# Allegro board 6089-119-RevA_41.brd (continued)
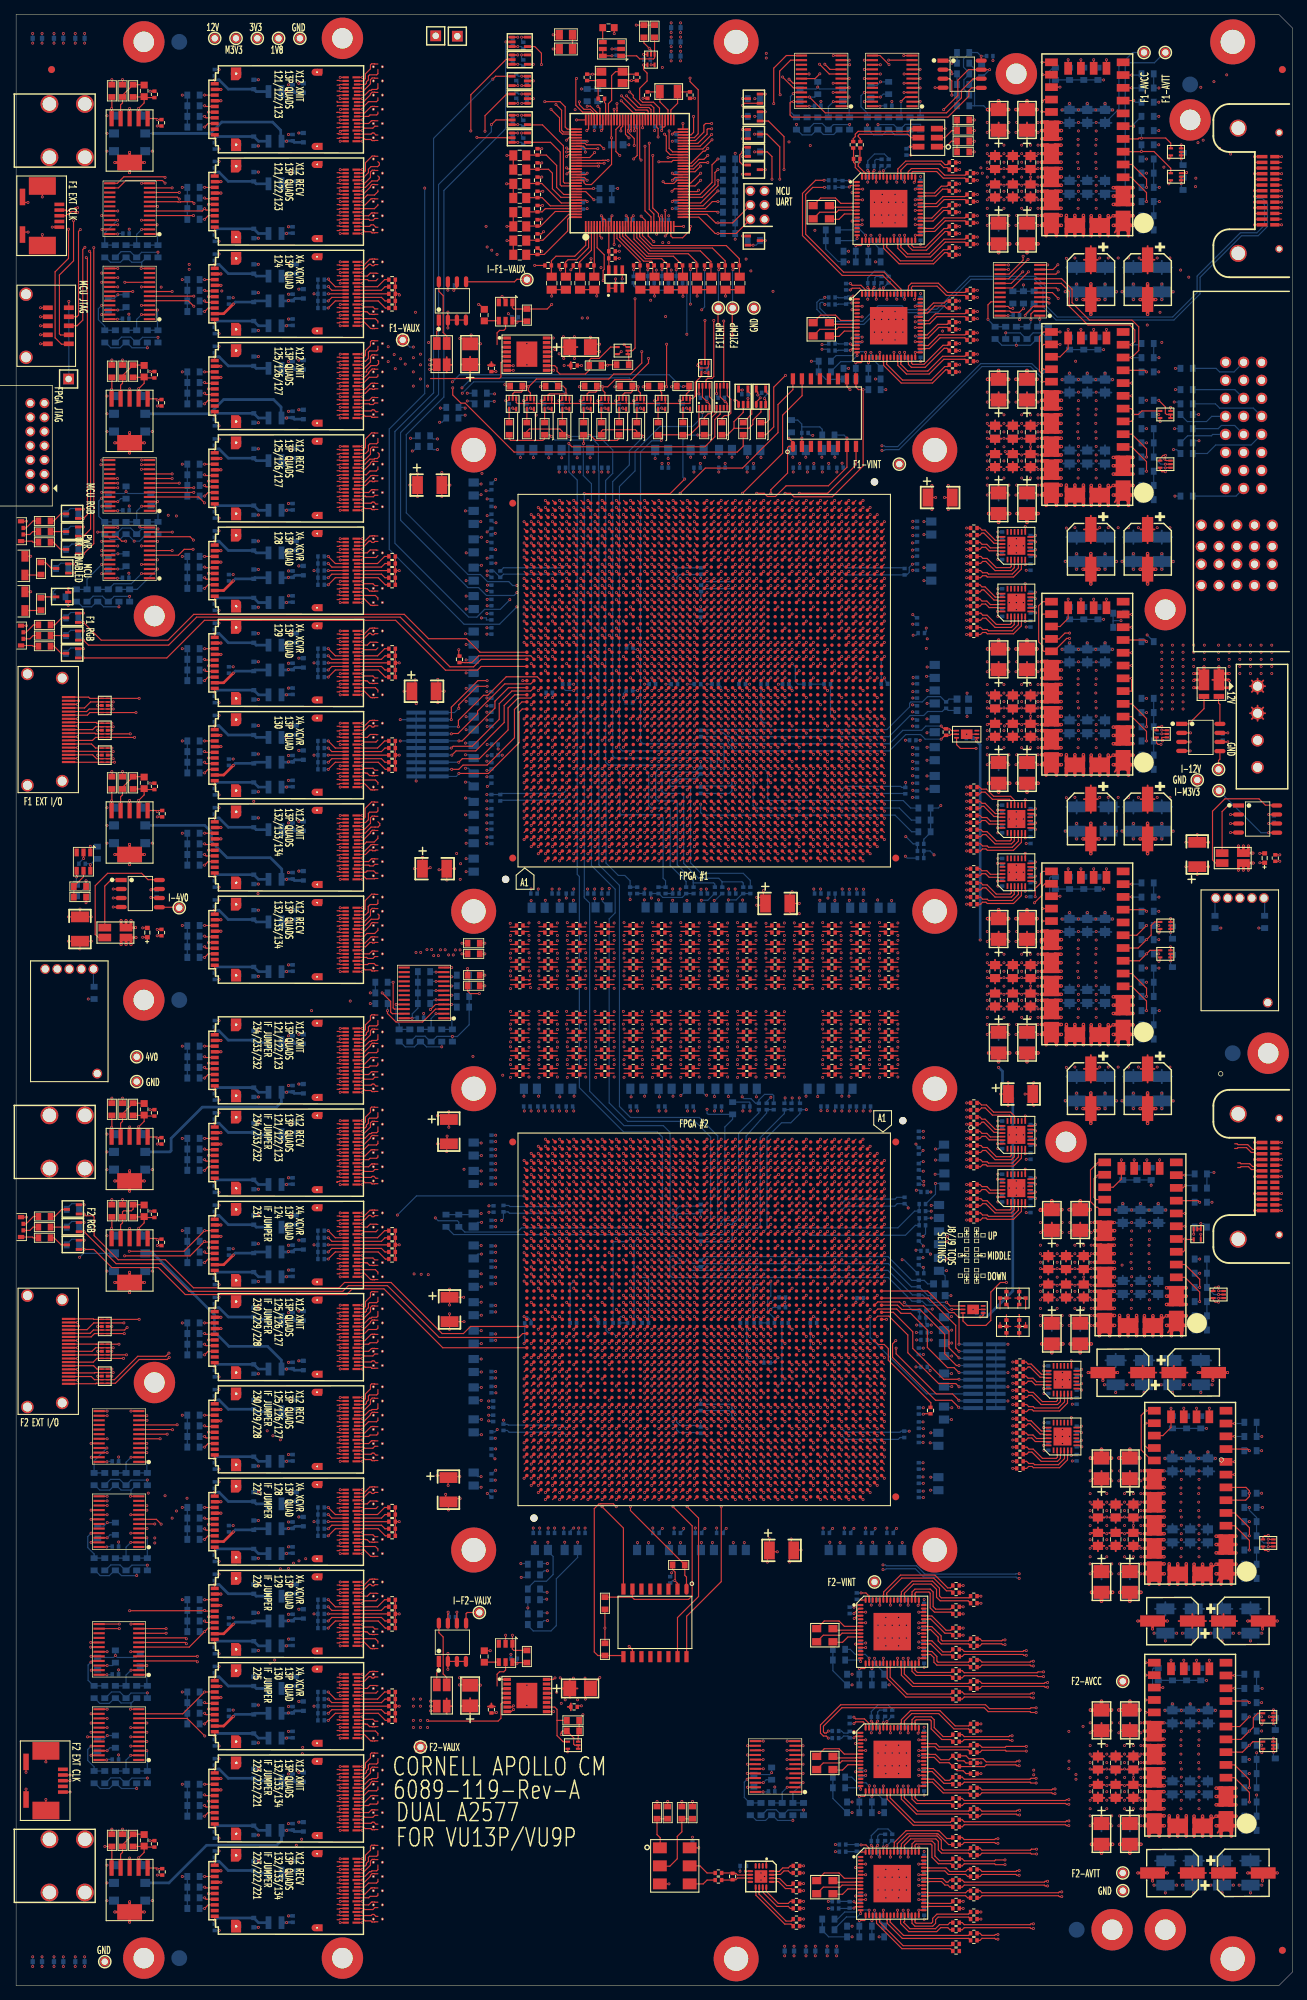
[diagram p0: board, top side]
## Routing (per net, layer and track width the routed paths; a pad name or vN(x,y) marks a point on that pad's centre or on a via; arc(x,y) is an arc through that point) (continued)
V_F2_VCCAUX: length 245.4
  TOP w0.165: v1(58,37.4) 58.1,37.3 67.95,37.3 68.35,37.7 68.35,39.7 68.58,39.92 U57.6 ; U77.BA39 v1(81.61,80.51) ; R74.2 59.3,39.85 59.05,40.1 v1(58.42,40.1) ; R74.2 v1(58.42,39.4) ; R74.2 59.3,38.92 59.13,38.75 v1(58.42,38.75) ; R104.1 81.05,242.9 v1(81.05,243.35) ; U77.AN13 v1(89.61,107.29) ; U77.J13 v1(114.39,107.29) ; U77.AL39 v1(91.61,80.51) ; U77.AA39 v1(102.39,80.51) ; U77.AL13 v1(91.61,107.29) ; U77.W13 v1(104.39,107.29) ; U77.L39 v1(112.39,80.51) ; U77.J39 v1(114.39,80.51) ; U77.BC39 v1(79.61,80.51) ; U77.L13 v1(112.39,107.29) ; U77.BC13 v1(79.61,107.29) ; U77.AA13 v1(102.39,107.29) ; U77.AN39 v1(89.61,80.51) ; U77.BA13 v1(81.61,107.29) ; U77.W39 v1(104.39,80.51)
  TOP w0.254: 57,32.77 PM11.1 ; PM11.1 57.88,33.65 ; PM11.1 56.12,33.65 ; PM11.1 56.33,32.98 ; PM11.1 57.67,32.98 ; PM11.1 56.33,34.32 ; PM11.1 57.67,34.32 ; PM11.1 57,34.53
  PWR4 w0.152: v1(67.6,103.35) 66.9,104.05 65.84,104.05 65.72,103.93 65.41,103.93 65.29,104.05 59.85,104.05 52.9,111 42.3,111 39.4,113.9 39.4,234.35 43.05,238 50.4,238 55.75,243.35 v1(81.05,243.35)
  PWR4 w0.254: PM11.1 57.67,34.32 ; PM11.1 57,32.77 ; PM11.1 56.33,34.32 ; PM11.1 57.88,33.65 ; PM11.1 56.33,32.98 ; PM11.1 57.67,32.98 ; PM11.1 57,34.53 ; PM11.1 56.12,33.65
  BOTTOM w0.165: C736.2 v1(126.94,93.1) ; C1020.2 v1(67.6,84.45) ; C1014.2 v1(67.6,103.35) ; C1019.2 v1(67.6,85.65) ; v1(126.85,103.65) 127.45,103.65 C735.2 ; C738.2 v1(126.94,91) ; C739.2 v1(126.85,87.2) ; C1015.2 v1(67.6,102.15)
  vias: v1(56,40.4) v1(56,39.4) v1(56,37.4) v1(56,36.4) v1(57,40.4) v1(57,39.4) v1(57,37.4) v1(57,36.4) v1(58,36.4) v1(89.61,110.29)
V_M3V3: length 517.3
  TOP w0.165: v1(92.4,225.3) 92.5,225.4 R128.1 ; v1(92.5,254.4) 92.9,254.8 U68.47 ; U125.5 175.76,37.01 v1(175.6,36.85) ; U68.69 91.1,261.9 ; 91.1,261.9 91.33,261.9 91.5,262.07 U68.68 ; 91.1,261.9 91.1,261.5 v1(91,261.4) ; v1(169.5,96.33) 169.02,96.33 168.76,96.59 U121.5 ; 82.7,248.91 82.7,249.2 v1(82.5,249.4) ; 82.7,248.91 82.71,248.92 82.98,248.92 83.1,248.8 U68.8 ; 82.7,248.91 U68.7 ; U124.5 175.76,61.59 176.02,61.33 v1(176.5,61.33) ; v1(135.9,94.25) 136.1,94.25 136.32,94.47 136.32,94.8 ; U10.24 v1(12.78,61.83) ; U51.5 v1(71.25,272.06) ; v1(87.15,261.37) 87.15,261.75 87.1,261.8 U68.79 ; U66.5 84.95,229.9 v1(85.3,230.25) ; v1(161.1,144.35) 161.26,144.51 U114.5 ; U93.8 136.04,271.89 v1(136.04,271.89) ; 13.2,234.82 v1(14.28,234.82) ; v1(162,213.33) 161.52,213.33 161.26,213.59 U112.5 ; 138.7,235.32 v1(139.83,235.32) ; v1(73.9,225.3) 74,225.4 R95.2 ; 13.2,246.82 v1(14.3,246.82) ; R123.1 88.5,225.4 v1(88.4,225.3) ; 169.69,175.26 v1(170.81,175.26) ; U116.5 162.76,254.16 v1(162.5,253.9) ; U113.5 161.26,148.51 v1(161.1,148.35) ; U61.5 v1(77.76,32.96) ; v1(82.5,261.4) 82.7,261.6 U68.90 ; U68.26 v1(90.3,246.81) ; v1(61.7,238.9) 62.13,239.34 U45.6 ; v1(68.9,225.6) 69.1,225.4 R81.1 ; v1(79.4,225.3) 79.5,225.4 R105.1 ; v1(86,249.4) 86.3,249.1 U68.16 ; U70.5 v1(89.51,270.66) ; U53.1 v1(71.28,265.24) ; v1(19,153.36) 19,153.36 20.19,153.26 ; U84.24 v1(111.8,264.82) ; v1(92.5,251.4) 92.7,251.6 U68.39 ; U80.5 101.98,224.85 v1(102.37,224.85) ; U48.6 70.4,45.6 v1(70.6,45.4) 70.74,45.54 R84.2 ; J4.1 v1(3.44,236.44) ; v1(91,249.4) 91.1,249.3 U68.28 ; U54.5 v1(71.25,263.56) ; v1(104.55,224.15) 104.55,224.55 104.34,224.76 U81.5 ; U110.5 160.76,175.14 160.98,174.92 v1(161.39,174.92) ; U68.122 80.3,251.6 v1(80.5,251.4) ; U47.6 70.4,234.6 v1(70.6,234.4) 70.74,234.54 R82.2 ; U9.24 v1(12.8,73.83) ; v1(161.27,220.4) 161.26,220.4 U111.5 ; U64.5 U64.6 v1(84,271.93) ; 13.2,207.82 v1(14.3,207.82) ; U11.24 v1(12.8,43.83) ; 177.69,163.76 v1(176.57,163.76) ; U65.4 v1(85.45,240.5) ; U83.24 v1(105.3,27.32) ; v1(84.4,225.3) 84.5,225.4 R117.2 ; 13.2,198.32 v1(14.28,198.32) ; v1(80.5,259.9) 80.4,260 U68.101 ; U94.4 135.43,175.47 v1(135.35,175.4) ; U2.6 v1(10.47,157.97) ; U55.5 v1(71.25,261.06) ; U88.24 v1(121.78,264.82) ; v1(175.6,32.85) 175.76,33.01 U126.5 ; v1(80.5,255.4) 80.3,255.2 U68.113 ; D5.2 v1(2.06,196.42) ; U50.5 v1(71.25,274.56) ; U115.5 162.76,257.66 v1(162.5,257.4) ; J6.18 v1(8.66,93.46) ; U12.24 v1(12.78,31.82) ; U46.6 v1(62.13,52.65) ; U68.63 92.8,261.2 v1(92.5,260.9) ; U119.5 v1(167,105.9) ; D1.3 v1(1.45,206.35) ; J5.18 v1(8.82,181.06) ; R122.2 R120.2 v1(87.41,276.26) ; U52.1 v1(71.28,267.74)
  TOP w0.38: v1(173.7,160.6) 173.7,160.1 173.2,159.6 ; v1(172.3,160.6) 172.3,160.1 172.8,159.6 R146.1 ; R146.1 v1(173,160.6) ; R146.1 173.2,159.6 ; 173.2,159.6 v1(174.35,159.6)
  PWR6 w0.254: PM6.1 31.88,274.4 ; PM6.1 31.67,275.07 ; PM6.1 30.33,273.73 ; PM6.1 30.33,275.07 ; PM6.1 31.67,273.73 ; PM6.1 31,273.52 ; PM6.1 30.12,274.4 ; PM6.1 31,275.28 ; J7.3 105.5,251.78 ; J7.3 106.17,251.57 ; J7.3 106.38,250.9 ; J7.3 105.5,250.02 ; J7.3 104.83,251.57 ; J7.3 104.62,250.9 ; J7.3 104.83,250.23 ; J7.3 106.17,250.23 ; 2,210.12 J1.2 ; J1.2 2.88,211 ; J1.2 1.33,210.33 ; J1.2 1.33,211.67 ; J1.2 2.67,211.67 ; J1.2 2.67,210.33 ; J1.2 2,211.88 ; J1.2 1.62,210.13
  BOTTOM w0.165: v1(139.83,235.32) 140.47,235.32 C675.1 ; R668.2 12.59,40.54 13.45,41.4 14.64,41.4 R646.2 15.5,40.55 16.2,41.25 18.48,41.25 v1(18.5,41.27) R627.2 ; R233.2 R234.2 v1(161.1,153.4) ; v1(85.45,240.5) 85.4,240.45 C928.1 ; C1225.1 12.85,31.9 v1(12.78,31.82) ; v1(23.43,41.4) R606.2 R607.2 R608.2 R609.2 ; R666.2 13.31,71.35 14.6,71.35 15.41,70.54 R644.2 15.5,70.55 16.2,71.25 18.48,71.25 v1(18.5,71.27) R625.2 ; C713.1 135.9,94.4 v1(135.9,94.25) ; v1(102.37,224.85) 102.3,224.78 C874.1 ; R671.2 12.35,64.76 v1(12.85,65.26) R653.2 ; R641.2 v1(15.5,210.53) ; v1(15.5,210.53) 15.76,210.26 R621.2 ; v1(15.5,210.53) 15.24,210.26 R660.2 ; v1(92.34,276.58) C904.1 v1(92.34,275.22) ; R203.2 R204.2 v1(161.1,267.4) ; C1217.1 19.71,153.36 v1(19,153.36) ; R227.1 v1(159.35,181.4) ; R267.2 145.46,232.04 144.6,232.9 143.36,232.9 R282.2 142.41,232.04 141.55,232.9 v1(139.5,232.9) R286.2 ; R357.2 113.26,267.26 v1(113,267.53) ; v1(121.78,264.82) 121.85,264.9 C805.1 ; v1(175.6,77.4) R151.2 R150.2 ; R629.2 17.41,46.76 16.91,46.26 14.26,46.26 v1(14,46.53) ; R318.2 v1(121.5,262.25) 123.7,262.25 124.41,261.54 R314.2 124.59,261.54 125.32,262.27 127.5,262.27 R304.2 ; R315.2 v1(121.85,268.26) 121.35,267.76 R332.2 ; R376.2 111.59,261.54 112.45,262.4 113.64,262.4 R366.2 114.5,261.55 115.2,262.25 117.48,262.25 v1(117.5,262.27) R345.2 ; R378.2 v1(111,24.77) 108.82,24.77 108.09,24.04 R390.2 107.91,24.04 107.15,24.8 105.85,24.8 105.09,24.04 R398.2 ; R672.2 13.74,46.26 v1(14,46.53) ; C927.1 86,248.85 v1(86,249.4) ; R643.2 v1(14.35,201.76) 13.5,201.76 R661.2 ; v1(89.51,270.66) 89.51,271.29 C920.1 ; C548.1 170.34,175.26 v1(170.81,175.26) ; v1(23.43,253.4) R542.2 R543.2 R544.2 R545.2 ; v1(23.43,132.4) R578.2 R579.2 R580.2 R581.2 ; v1(70.6,234.4) 70.6,234.9 C977.1 ; R657.2 v1(12.85,35.26) 12.35,34.76 R673.2 ; v1(61.7,238.9) 61.7,239.5 C1051.1 ; v1(91,249.4) 91.05,249.35 C910.1 ; R601.2 R600.2 R599.2 R598.2 v1(23.43,67.4) ; v1(71.25,261.06) 71.25,260.6 C974.1 ; C1224.1 13.47,43.83 v1(12.8,43.83) ; v1(2.34,275.08) C1232.1 v1(2.34,273.72) ; C915.1 90.95,261.45 v1(91,261.4) ; R283.2 R285.2 ; R283.2 R269.2 ; R283.2 v1(142,239.65) ; C1223.1 12.85,61.9 v1(12.78,61.83) ; R541.2 R540.2 R539.2 R538.2 v1(23.43,266.4) ; v1(14.28,198.32) 14.93,198.32 C1221.1 ; C973.1 71.25,263.1 v1(71.25,263.56) ; R182.1 v1(166.85,92.4) ; R613.2 R612.2 R611.2 R610.2 v1(23.43,28.4) ; v1(23.43,162.4) R570.2 R571.2 R572.2 R573.2 ; R288.1 136.1,271.83 v1(136.04,271.89) ; R443.1 90.25,241.2 v1(90.25,241.75) ; R214.1 v1(159.35,247.4) ; v1(62.13,52.65) 62.13,52.13 C1050.1 ; R674.2 11.28,158.79 v1(10.47,157.97) 10.33,158.1 C1226.1 ; R166.1 v1(173.85,31.9) ; C859.1 112.47,264.82 v1(111.8,264.82) ; v1(175.65,41.9) R161.2 R160.2 ; v1(23.43,227.4) R550.2 R551.2 R552.2 R553.2 ; v1(2.34,2.72) C1233.1 v1(2.34,4.08) ; C944.1 80.05,251.4 v1(80.5,251.4) ; R209.1 v1(159.35,257.4) ; R379.2 112.74,267.26 v1(113,267.53) ; v1(155.75,192.35) 154.69,192.35 154.64,192.3 ; C971.1 71.25,274.1 v1(71.25,274.56) ; R617.2 R616.2 R615.2 R614.2 v1(23.43,15.4) ; R620.2 v1(20,205.27) 19.98,205.25 17.7,205.25 17,204.55 R632.2 16.14,205.4 14.95,205.4 14.09,204.54 R651.2 ; R655.2 v1(14,46.53) ; v1(23.43,240.4) R546.2 R547.2 R548.2 R549.2 ; v1(135.35,175.4) 134.95,175.8 C714.1 ; v1(14.3,207.82) 14.38,207.9 C1219.1 ; R248.2 154.64,192.3 ; 154.64,192.3 R247.2 ; v1(92.5,254.4) 92.65,254.55 C902.1 ; R637.2 v1(16,195.77) 13.82,195.77 13.09,195.04 R662.2 12.91,195.04 12.15,195.8 10.85,195.8 10.09,195.04 R680.2 ; v1(108.34,4.22) C867.1 v1(108.34,5.58) ; v1(71.28,267.74) 71.79,267.74 C966.1 ; C932.1 82.5,249.05 v1(82.5,249.4) ; C931.1 84.07,272 v1(84,271.93) ; v1(82.5,261.4) 82.45,261.45 C937.1 ; R628.2 v1(18.5,29.27) 16.32,29.27 15.59,28.54 R647.2 15.41,28.54 14.65,29.3 13.35,29.3 12.59,28.54 R669.2 ; R174.2 R173.2 168.06,114.6 v1(168.85,114.6) ; R659.2 13.85,237.76 v1(14.35,238.26) R639.2 ; v1(101.36,246.1) R420.2 R419.2 R418.2 R417.2 R416.2 R415.2 R414.2 R413.2 v1(101.36,258.2) ; R593.2 R592.2 R591.2 R590.2 v1(23.43,93.4) ; R215.2 R216.2 v1(161.1,229.4) ; v1(136.04,271.89) 135.53,272.4 R289.2 134.36,272.31 133.55,271.5 133.55,270.35 134.36,269.54 R291.2 134.36,269.31 133.6,268.55 133.6,267.25 134.36,266.49 R293.2 ; v1(136.04,271.89) 136.05,271.9 C712.1 ; R154.1 v1(175.7,67.4) ; v1(14.3,246.82) 14.38,246.9 C1218.1 ; v1(23.43,175.4) R566.2 R567.2 R568.2 R569.2 ; R565.2 R564.2 R563.2 R562.2 v1(23.43,188.4) ; C972.1 71.25,271.6 v1(71.25,272.06) ; R626.2 v1(18.5,59.27) 16.32,59.27 15.59,58.54 R645.2 15.41,58.54 14.65,59.3 13.35,59.3 12.59,58.54 R667.2 ; v1(105.3,27.32) 105.97,27.32 C868.1 ; v1(84.8,253.25) R454.2 R455.2 ; C869.1 104.8,224.15 v1(104.55,224.15) ; R585.2 R584.2 R583.2 R582.2 v1(23.43,119.4) ; C967.1 71.79,265.24 v1(71.28,265.24) ; R577.2 R576.2 R575.2 R574.2 v1(23.43,149.4) ; R457.2 R458.2 v1(79.7,267.26) ; R619.2 v1(20,232.27) 17.82,232.27 17.09,231.54 R631.2 16.91,231.54 16.15,232.3 14.85,232.3 14.09,231.54 R650.2 ; v1(92.5,251.4) 92.55,251.35 C903.1 ; v1(23.43,106.4) R586.2 R587.2 R588.2 R589.2 ; C943.1 80.45,255.35 v1(80.5,255.4) ; v1(113,267.53) R373.2 ; R561.2 R560.2 R559.2 R558.2 v1(23.43,201.4) ; v1(23.43,214.4) R554.2 R555.2 R556.2 R557.2 ; v1(176.57,163.76) 177.12,163.76 C545.1 ; C924.1 87.45,261.95 87.15,261.65 v1(87.15,261.37) ; v1(23.43,80.4) R594.2 R595.2 R596.2 R597.2 ; v1(23.43,54.4) R602.2 R603.2 R604.2 R605.2 ; R171.1 v1(173.85,21.9) ; v1(92.5,260.9) 92.55,260.85 C901.1 ; R495.2 R496.2 v1(49.93,139.9) ; R239.1 v1(159.35,143.4) ; R649.2 14.81,244.35 16.1,244.35 16.91,243.54 R630.2 17,243.55 17.7,244.25 19.98,244.25 v1(20,244.27) R618.2 ; C1220.1 14.93,234.82 v1(14.28,234.82) ; R177.1 v1(166.85,102.4) ; R159.1 v1(173.85,57.4) ; R225.1 v1(159.35,209.4) ; C942.1 80.45,259.85 v1(80.5,259.9) ; C1222.1 12.88,73.9 v1(12.8,73.83) ; R392.2 v1(106.5,30.03) 106.24,29.76 R406.2 ; v1(70.6,45.4) 70.65,45.45 C978.1 ; R244.1 v1(159.35,133.4) ; R220.1 v1(159.35,219.4) ; R232.1 v1(159.35,171.4)
  BOTTOM w0.2: v1(135.9,94.25) 136.85,94.25
  BOTTOM w0.38: v1(138.5,129.4) 139.05,128.85 139.05,126.55 140.5,125.1 140.5,97.9 136.85,94.25 ; v1(135.9,147.35) 135.9,174.85 v1(135.35,175.4)
  vias: v1(37.25,58.75)
XOSC0: length 6.2
  TOP w0.165: C156.1 93.3,266.85 X2.2 93.25,265.25 92.3,264.3 U68.66
XOSC1: length 6.2
  TOP w0.165: U68.67 91.9,264.3 90.75,265.45 X2.1 90.7,266.85 C136.1
N7269408: length 3.4
  TOP w0.165: v1(44.01,63.4) 44.01,63.41 45,64.4 U39A.B12
  BOTTOM w0.165: R527.2 v1(44.01,63.4)
N7269410: length 3.2
  TOP w0.165: v1(44.01,64.4) 44.51,64.9 U39A.B11
  BOTTOM w0.165: R526.2 v1(44.01,64.4)
N7269412: length 3
  TOP w0.165: 44,65.4 v1(44.01,65.4) U39A.B10
  BOTTOM w0.165: R525.2 v1(44.01,65.4)
N7269414: length 3.2
  TOP w0.165: v1(44.01,66.4) 44.51,65.9 U39A.B9
  BOTTOM w0.165: R524.2 v1(44.01,66.4)
N7269416: length 3.4
  TOP w0.165: U39A.B8 45,66.4 44.01,67.39 v1(44.01,67.4)
  BOTTOM w0.165: R523.2 v1(44.01,67.4)
N7269418: length 4.9
  TOP w0.165: R62.2 52.05,63.4 51.05,64.4 U39A.A12
N7269420: length 4.7
  TOP w0.165: U39A.A11 51.5,64.9 52,64.4 R61.2
N7269422: length 4.6
  TOP w0.165: U39A.A10 R60.2
N7269424: length 4.7
  TOP w0.165: R59.2 52,66.4 51.5,65.9 U39A.A9
N7269426: length 4.9
  TOP w0.165: U39A.A8 50.95,66.4 51.95,67.4 R58.2
N7416787: length 5.6
  TOP w0.165: U75.AB40 v1(92.61,198.29)
  BOTTOM w0.165: R424.2 93.22,199.8 93.05,199.63 93.05,199 92.61,198.56 v1(92.61,198.29)
N7431932: length 28.7
  TOP w0.165: U75.AB14 v1(92.61,171.51)
  BOTTOM w0.165: 99.5,155.6 99.55,155.55 102.33,155.55 102.5,155.38 R410.2 ; 99.5,155.6 99.05,156.05 96.2,156.05 94.1,158.15 94.1,167.7 93.8,168 91.35,168 91.05,168.3 91.05,170.8 91.3,171.05 92.1,171.05 92.56,171.51 v1(92.61,171.51) ; 99.5,155.6 99.5,154.85 R421.2
N7432046: length 27
  TOP w0.165: U75.AC13 v1(93.61,170.51)
  BOTTOM w0.165: R407.2 103.5,155.75 102.5,156.75 96.55,156.75 95.08,158.22 95.08,168.78 94.85,169 92.3,169 92.13,169.17 92.13,169.83 92.25,169.95 92.8,169.95 93.36,170.51 v1(93.61,170.51)
N7432084: length 24.6
  TOP w0.165: U75.Y14 v1(90.61,171.51)
  BOTTOM w0.165: R423.2 98.5,155.23 98.33,155.4 95.45,155.4 ; 95.45,155.4 95.45,155.7 93.2,157.95 93.2,166.65 92.9,166.95 90.5,166.95 90.15,167.3 90.15,170.88 90.27,171.17 v1(90.61,171.51) ; 95.45,155.4 95.45,154.85 R433.2
N7432164: length 208.2
  TOP w0.165: v1(106.55,254.55) 106.55,257.75 105.9,258.4 Q15.3 ; U75.V14 v1(88.61,171.51)
  SIG2 w0.079: v1(62.65,158.1) 63.55,158.1 64.1,158.65 64.1,158.67 64.18,158.75 72.35,158.75 73.2,159.6 73.2,171.7 73.5,172 88.15,172 88.61,171.54 v1(88.61,171.51)
  PWR3 w0.152: v1(106.55,254.55) 102.1,254.55 101.25,253.7 70.9,253.7 56.71,239.51 56.71,230.91 55.05,229.25 v1(54.2,229.25)
  PWR4 w0.152: v1(62.65,158.1) 54.55,166.2 54.55,180 54.2,180.35 54.2,186.05 54.39,186.24 54.39,186.56 54.2,186.75 54.2,199.05 54.39,199.24 54.39,199.56 54.2,199.75 v1(54.2,229.25)
  BOTTOM w0.165: v1(88.61,171.51) 88.61,171.49 89.17,170.93 89.17,166.28 89.5,165.95 92.03,165.95 92.2,165.78 92.2,157.85 94.45,155.6 R434.1
N7432236: length 20.4
  TOP w0.165: U75.M14 v1(82.61,171.51)
  BOTTOM w0.165: v1(82.61,171.51) 83.15,170.97 83.15,158.2 84.9,156.45 85.8,156.45 86.55,155.7 R449.2 R446.2
N7432312: length 24.3
  TOP w0.165: U75.P14 v1(84.61,171.51)
  BOTTOM w0.165: v1(84.61,171.51) 84.61,171.49 85.1,171 85.1,165.2 85.3,165 90.75,165 91.2,164.55 91.2,156.05 91.55,155.7 R438.2 R441.2
N7433493: length 63.2
  TOP w0.165: v1(117.12,218.08) U85.7 117.12,213.97 114.5,211.35 108.55,211.35 107.05,209.85 105.9,209.85 105.45,210.3 v1(104.4,210.3) ; U75.AK14 v1(101.39,171.51)
  SIG2 w0.079: v1(104.4,210.3) 104.9,209.8 104.9,172.3 104.5,171.9 101.78,171.9 v1(101.39,171.51)
  BOTTOM w0.165: v1(117.12,218.08) 116.7,218.5 R367.2
N7433497: length 50.3
  TOP w0.165: v1(106.4,210.3) 106.4,210.8 108.75,213.15 108.75,216.73 108.92,216.9 U85.1 109.5,217.45 v1(108.95,218) ; U75.AT14 v1(107.39,171.51)
  SIG2 w0.079: v1(107.39,171.51) U75.AT14 107,209.7 v1(106.4,210.3)
  BOTTOM w0.165: v1(108.95,218) 108.95,218.54 R383.2
N7433501: length 66.6
  TOP w0.165: v1(108.4,210.3) 109.15,210.3 109.65,209.8 115.05,209.8 119.4,214.15 v1(119.4,224.9) 118.75,224.9 118.39,225.26 U85.9 ; U75.AV14 v1(109.39,171.51)
  SIG2 w0.079: v1(109.39,171.51) U75.AV14 109,209.7 v1(108.4,210.3)
  BOTTOM w0.165: R329.2 v1(119.4,224.9)
N7433549: length 64
  TOP w0.165: U75.AG13 v1(98.39,170.51) ; U85.15 110.8,226.4 110.8,224.05 108.05,221.3 108.05,215.95 v1(102.4,210.3)
  SIG2 w0.079: v1(102.4,210.3) 103,209.7 103,173.3 102.8,173.1 102.8,173.08 102.72,173 101.1,173 100.9,172.8 100.9,171.4 100.4,170.9 98.78,170.9 v1(98.39,170.51)
N7433553: length 52
  TOP w0.165: U85.8 118.4,216.89 118.4,214.3 114.4,210.3 v1(110.4,210.3) ; U75.AY14 v1(111.39,171.51)
  SIG2 w0.079: v1(110.4,210.3) 111,209.7 U75.AY14 v1(111.39,171.51)
N7433601: length 67.3
  TOP w0.165: U85.16 109.5,224.9 107.4,222.8 107.4,218.85 102.4,213.85 97.15,213.85 v1(93.6,210.3) ; U75.AE13 v1(95.61,170.51)
  SIG2 w0.079: v1(93.6,210.3) 94.15,209.75 94.15,171.4 94.55,171 95.1,171 95.59,170.51 v1(95.61,170.51)
N7434099: length 235
  TOP w0.165: U75.AD13 v1(94.61,170.51) ; Q14.3 105.85,260.9 107.65,259.1 v1(107.65,254.55)
  SIG1 w0.079: v1(94.61,170.51) 94.69,170.51 95.15,170.05 95.9,170.05 96.05,169.9 96.05,167.05 96.5,166.6 v1(96.5,166.5)
  SIG2 w0.079: v1(94.61,170.51) 94.17,170.95 93.3,170.95 93.1,171.15 93.1,172.65 92.7,173.05 72.33,173.05 72.25,172.97 72.25,172.9 72.15,172.8 72.15,161.25 70.7,159.8 62.35,159.8 v1(62.1,159.55)
  PWR3 w0.152: v1(54.85,228.5) 56.2,228.5 57.4,229.7 57.4,238.1 72.65,253.35 74.85,253.35 75.8,252.4 100.75,252.4 102.5,254.15 106.38,254.15 106.38,254.14 106.72,254.14 106.72,254.15 107.25,254.15 v1(107.65,254.55)
  PWR4 w0.152: v1(62.1,159.55) 55.35,166.3 55.35,180.7 55.07,180.98 55.07,228.28 v1(54.85,228.5)
  BOTTOM w0.165: v1(96.5,166.5) 96.5,165.3 96.85,164.95 123.9,164.95 126.25,162.6 R297.2
N7503296: length 30.1
  TOP w0.165: U75.AM14 v1(103.39,171.51)
  BOTTOM w0.165: R296.2 126.2,164.25 124.5,165.95 104.25,165.95 103.9,166.3 103.9,171 v1(103.39,171.51)
N7505902: length 20.8
  TOP w0.165: U77.AB14 v1(101.39,106.29)
  BOTTOM w0.165: R391.2 R396.2 105.8,122.99 102.9,119.72 102.9,107.25 102.45,106.8 101.9,106.8 v1(101.39,106.29)
N7506206: length 67.3
  TOP w0.165: 86.88,54.72 87.15,54.45 94.8,54.45 95.3,54.95 95.3,64.8 v1(92.6,67.5) ; 86.88,54.72 86.84,54.76 R113.2 ; 86.88,54.72 U72.7 ; U77.AK14 v1(92.61,106.29)
  SIG2 w0.079: v1(92.61,106.29) 93.15,105.75 93.15,68.03 93.07,67.95 93.05,67.95 v1(92.6,67.5)
N7506210: length 54.7
  TOP w0.165: v1(86.6,67.5) 86.6,66.96 R126.2 94.26,57.84 94.5,57.6 U72.1 ; U77.AT14 v1(86.61,106.29)
  SIG2 w0.079: v1(86.6,67.5) 87.15,68.05 87.15,105.7 86.61,106.24 v1(86.61,106.29)
N7506214: length 67.9
  TOP w0.165: U77.AV14 v1(84.61,106.29) ; U72.9 85.45,46.54 R114.2 82,46.54 81.5,47.04 81.5,67.23 82.17,67.9 82.42,67.9 82.43,67.91 84.19,67.91 v1(84.6,67.5)
  SIG2 w0.079: v1(84.6,67.5) 85.15,68.05 85.15,105.65 84.61,106.19 v1(84.61,106.29)
N7506288: length 63.8
  TOP w0.165: U77.AG13 v1(95.61,107.29) ; v1(94.6,67.5) 96.2,65.9 96.2,54.85 93.23,51.88 U72.15
  SIG2 w0.079: v1(94.6,67.5) 95.1,68 95.1,106.55 95.61,107.06 v1(95.61,107.29)
N7506296: length 18.9
  TOP w0.165: U77.AC13 v1(100.39,107.29)
  BOTTOM w0.165: v1(100.39,107.29) 100.98,107.29 101,107.32 101,107.45 101.23,107.68 101.38,107.68 101.85,108.15 101.85,120.15 104.7,123 R399.2
N7506304: length 52.6
  TOP w0.165: U72.8 85.61,64.49 v1(82.6,67.5) ; U77.AY14 v1(82.61,106.29)
  SIG2 w0.079: v1(82.6,67.5) 83.15,68.05 83.15,105.75 v1(82.61,106.29)
N7506346: length 21.2
  TOP w0.165: U77.Y14 v1(103.39,106.29)
  BOTTOM w0.165: R384.2 R387.2 108.3,122.9 104.9,119.5 104.9,107.05 104.6,106.75 103.85,106.75 v1(103.39,106.29)
N7506428: length 65.7
  TOP w0.165: U77.AE13 v1(98.39,107.29) ; U72.16 94.53,46.4 94.53,52.08 99.4,56.95 v1(99.4,67.5)
  SIG2 w0.079: v1(99.4,67.5) 99.7,67.8 99.82,67.8 99.9,67.88 99.9,76.85 99.8,76.95 98.25,76.95 97.95,77.25 97.95,106.85 v1(98.39,107.29)
N7506492: length 274.6
  TOP w0.165: Q16.3 v1(105.6,255.9) ; U77.V14 v1(105.39,106.29)
  SIG2 w0.079: v1(105.6,255.9) 105.6,254.15 106.7,253.05 v1(106.7,238.75)
  PWR4 w0.152: v1(106.7,238.75) 98.75,238.75 96.6,236.6 95.27,236.6 95.22,236.54 94.88,236.54 94.83,236.6 85.5,236.6 83.05,239.05 71.7,239.05 70,240.75 58.8,240.75 53.15,235.1 49.05,235.1 48.97,235.02 48.65,235.02 47.2,233.57 47.2,233.1 45,230.9 43.4,230.9 43.25,230.75 43.25,142.6 v1(47.1,138.75)
  SIG3 w0.079: v1(111.4,123.45) 105.55,123.45 104.4,124.6 69.95,124.6 58.4,136.15 57,136.15 54.4,138.75 v1(47.1,138.75)
  BOTTOM w0.165: v1(105.39,106.29) 105.85,106.75 105.85,119.55 107.9,121.6 109.2,121.6 110.5,122.9 R380.1 v1(111.4,123.45)
N7506600: length 18.3
  TOP w0.165: U77.M14 v1(111.39,106.29)
  BOTTOM w0.165: R302.2 R303.2 126.75,107.15 125.35,105.75 111.9,105.75 111.39,106.26 v1(111.39,106.29)
N7506822: length 20.6
  TOP w0.165: U77.P14 v1(109.39,106.29)
  BOTTOM w0.165: R300.2 R301.2 126.65,109.15 124.3,106.8 109.95,106.8 109.44,106.29 v1(109.39,106.29)
N7507208: length 250.7
  TOP w0.165: U77.AD13 v1(99.39,107.29) ; Q17.3 v1(105.6,245.9)
  PWR4 w0.152: v1(41.65,137.4) 41.65,173.2 41.61,173.24 41.61,173.56 41.65,173.6 41.65,186.2 41.61,186.24 41.61,186.56 41.65,186.6 41.65,199.2 41.61,199.24 41.61,199.56 41.65,199.6 41.65,231 42.15,231.5 44.7,231.5 46.85,233.65 46.85,234.3 49.24,236.69 53.79,236.69 58.45,241.35 72.7,241.35 73.55,240.5 81.55,240.5 82,240.95 103.65,240.95 105.6,242.9 105.6,245.9 v1(105.6,245.9)
  SIG3 w0.079: v1(41.65,137.4) 51.55,137.4 54,134.95 54,133.55 63.55,124 96.5,124 97,123.5 v1(97.4,123.5)
  BOTTOM w0.165: v1(97.4,123.5) 97.4,122.95 97.57,122.79 R412.2 101,122.1 99.9,121 99.9,108.2 99.39,107.69 v1(99.39,107.29)
N7550815: length 31.2
  TOP w0.165: U77.AM14 v1(90.61,106.29)
  BOTTOM w0.165: v1(90.61,106.29) 90.59,106.29 90.15,105.85 61.69,105.85 R483.2
N7774117: length 1.9
  TOP w0.165: U67.4 R115.1
N7774145: length 35.8
  TOP w0.165: 86,222.95 83.5,222.95 ; 86,222.95 U67.1 ; 86,222.95 88.5,222.95 ; 83.5,222.95 81,222.95 ; 83.5,222.95 U63.1 ; U59.1 75.5,222.95 ; 75.5,222.95 73,222.95 ; 75.5,222.95 78,222.95 ; 81,222.95 78,222.95 ; 81,222.95 U62.1 ; 78,222.95 U60.1 ; U49.1 70.5,223.1 70.65,222.95 73,222.95 ; 88.5,222.95 91.5,222.95 ; 88.5,222.95 U69.1 ; 91.5,222.95 95,222.95 U74.1 95.01,223.65 95.4,223.65 95.75,224 95.75,225.95 96.6,226.8 U78.4 ; 91.5,222.95 U73.1 ; 73,222.95 U58.1
N7774339: length 1.9
  TOP w0.165: U69.4 R119.1
N7775449: length 1.9
  TOP w0.165: U63.4 R108.1
N7775531: length 1.9
  TOP w0.165: U62.4 R103.1
N7781104: length 1.9
  TOP w0.165: U58.4 R83.1
N7781202: length 1.9
  TOP w0.165: U49.4 R80.1
N7781480: length 1.9
  TOP w0.165: U60.4 R97.1
N7781570: length 1.9
  TOP w0.165: U59.4 R93.1
N7785178: length 1.9
  TOP w0.165: U73.4 R124.1
N7785276: length 1.9
  TOP w0.165: U74.4 R129.1
N7788421: length 6.1
  TOP w0.165: U76.5 97.75,223.9 98.2,223.45 98.2,221.75 97.95,221.5 97.55,221.5 97,220.95 R131.1
N7873135: length 12.1
  TOP w0.165: U80.2 102.5,221.7 101.2,220.4 101.2,219.45 ; U81.2 105,221.75 103.85,220.6 103.85,220 103.3,219.45 101.2,219.45 ; R134.2 100.29,218.54 101.2,219.45
N7875048: length 5.4
  TOP w0.165: R137.1 103.7,221.46 103.7,224.15 103.16,224.69 U80.4
N7875062: length 5.9
  TOP w0.165: R138.1 105.76,220.26 106.2,220.7 106.2,224.1 105.66,224.64 U81.4
N7922601: length 6.7
  TOP w0.165: U107.19 147.15,191.53 148.3,192.67 U107.16 v1(148.3,195.38)
  BOTTOM w0.165: v1(148.3,195.38) 148.3,194.46 R263.1
N7927125: length 2.5
  TOP w0.165: U107.15 v1(150.1,195.38)
  BOTTOM w0.165: v1(150.1,195.38) 150.1,194.66 R255.1
N7927299: length 2.6
  TOP w0.165: U107.14 v1(151.9,195.38)
  BOTTOM w0.165: v1(151.9,195.38) 151.9,194.86 R251.1
N7927470: length 4.1
  TOP w0.165: v1(159.35,189.4) 159.12,189.62 U107.9
  BOTTOM w0.165: R226.1 v1(159.35,189.4)
N7930999: length 4.1
  TOP w0.165: v1(159.35,227.4) 159.12,227.62 U106.9
  BOTTOM w0.165: R217.1 v1(159.35,227.4)
N7931071: length 2.6
  TOP w0.165: U106.14 v1(151.9,233.38)
  BOTTOM w0.165: v1(151.9,233.38) 151.9,232.86 R250.1
N7931075: length 6.7
  TOP w0.165: U106.19 147.15,229.53 148.3,230.67 U106.16 v1(148.3,233.38)
  BOTTOM w0.165: v1(148.3,233.38) 148.3,232.46 R262.1
N7931121: length 2.5
  TOP w0.165: U106.15 v1(150.1,233.38)
  BOTTOM w0.165: v1(150.1,233.38) 150.1,232.66 R254.1
N7932656: length 41.7
  TOP w0.165: U107.7 v1(157.25,186.03) ; U106.7 v1(157.25,224.03)
  SIG2 w0.079: v1(157.25,186.03) 157.28,186.03 158.4,187.15 158.4,199.16 158.11,199.46 158.11,199.74 158.4,200.04 158.4,205.16 158.54,205.31 158.54,205.59 158.4,205.74 158.4,222.88 v1(157.25,224.03)
N7932668: length 41.3
  TOP w0.165: 156.05,225.82 v1(157.25,225.82) ; 156.05,187.82 v1(157.25,187.82)
  SIG2 w0.079: v1(157.25,225.82) 156.8,225.37 156.8,223.2 157.9,222.1 157.9,210.05 arc(157.89,210.02) 157.87,209.99 arc(157.86,209.96) 157.85,209.93 157.85,188.65 arc(157.8,188.42) 157.67,188.22 157.27,187.82 v1(157.25,187.82)
N8124132: length 4.1
  TOP w0.165: v1(159.35,151.4) 159.12,151.62 U108.9
  BOTTOM w0.165: R235.1 v1(159.35,151.4)
N8124142: length 2.6
  TOP w0.165: U108.14 v1(151.9,157.38)
  BOTTOM w0.165: R252.1 151.9,156.86 v1(151.9,157.38)
N8124144: length 2.4
  TOP w0.165: U108.16 v1(148.3,157.38)
  BOTTOM w0.165: v1(148.3,157.38) 148.3,156.46 R264.1
N8124154: length 2.5
  TOP w0.165: U108.15 v1(150.1,157.38)
  BOTTOM w0.165: R256.1 150.1,156.66 v1(150.1,157.38)
N8133874: length 5.9
  TOP w0.165: U108.19 v1(147.15,153.53)
  BOTTOM w0.165: R266.1 145.87,156.26 145.7,156.1 145.7,153.8 145.97,153.53 v1(147.15,153.53)
N9069787: length 16.2
  TOP w0.165: U18.22 v1(14.33,199.62) ; U17.18 v1(14.32,211.72)
  SIG1 w0.079: v1(14.32,211.72) 13.75,211.15 13.75,200.21 v1(14.33,199.62)
  BOTTOM w0.165: v1(14.33,199.62) 15.09,199.62 R643.1
N9069799: length 17.7
  TOP w0.165: U17.17 v1(14.28,212.38) ; U18.23 v1(12.07,198.97)
  SIG1 w0.079: v1(14.28,212.38) 13.25,211.35 13.25,200.15 12.07,198.97 v1(12.07,198.97)
  BOTTOM w0.165: R661.1 12.44,198.97 v1(12.07,198.97)
N9079797: length 17.8